# Allegro board SDHCalFEB.brd (continued)
## Routing (per net, layer and track width the routed paths; a pad name or vN(x,y) marks a point on that pad's centre or on a via; arc(x,y) is an arc through that point) (continued)
237.41,281.89 ; 320.57,47.37 C1456.1 ; C1456.1 321.77,46.05 ; C1456.1 321.77,48.69 ; C1456.1 322.96,47.37 ; 233.4,230.94 v2(233.4,230.51) 232.97,230.51 ; v1(246.91,30.05) 247.35,30.05 ; v1(246.91,30.05) 246.91,30.48 ; v1(246.91,30.05) 246.48,30.05 ; v1(246.91,30.05) 246.91,29.62 ; 156.73,205.82 C600.1 ; C600.1 157.59,205.82 ; C600.1 157.16,206.31 ; v2(77.62,126.16) 78.05,126.16 ; v2(77.62,126.16) 77.19,126.16 ; v2(77.62,126.16) 77.62,125.73 ; v2(77.62,126.16) 77.62,126.59 ; 98.93,334.06 v2(98.93,334.49) ; v2(98.93,334.49) 98.93,334.92 ; v2(98.93,334.49) 99.37,334.49 ; v2(98.93,334.49) 98.5,334.49 ; U1056.1 352.45,154.33 ; U1056.1 352.45,153.42 ; U1056.1 351.28,153.87 ; U1056.1 353.62,153.87 ; v2(155.07,236.68) 155.27,237.14 ; C1122.1 313.42,42.32 ; C1122.1 312.56,42.32 ; C1122.1 312.99,42.81 ; C424.1 313.85,202.88 ; C424.1 313.42,202.39 ; C424.1 314.28,202.39 ; v2(155.75,125.8) 155.96,126.26 ; 71.58,236.17 v2(72.01,236.17) ; v2(72.01,236.17) 72.01,235.74 ; v2(72.01,236.17) 72.44,236.17 ; v2(72.01,236.17) 72.01,236.6 ; 350.65,157.68 v1(351.08,157.68) ; v1(351.08,157.68) 351.08,158.12 ; v1(351.08,157.68) 351.08,157.25 ; U1073.6 v1(376.47,219.07) ; v2(95.2,283.46) 95.63,283.46 ; v2(95.2,283.46) 95.2,283.9 ; v2(95.2,283.46) 94.77,283.46 ; v2(95.2,283.46) 95.2,283.03 ; 163.02,30.94 v1(163.45,30.94) ; v1(163.45,30.94) 163.88,30.94 ; v1(163.45,30.94) 163.45,31.37 ; v1(163.45,30.94) 163.45,30.5 ; v1(347.95,268.38) 348.39,268.38 ; v1(347.95,268.38) 347.95,267.94 ; v1(347.95,268.38) 347.95,268.81 ; v1(347.95,268.38) 347.52,268.38 ; v2(99.01,339.32) 99.01,339.75 ; v2(99.01,339.32) 99.01,338.89 ; v2(99.01,339.32) 98.58,339.32 ; v2(99.01,339.32) 99.44,339.32 ; 315.95,237.17 v2(315.52,237.17) 315.52,237.6 ; 235.97,120.34 v2(235.97,120.78) ; v2(155.22,233.48) 155.65,233.48 ; v2(155.22,233.48) 155.22,233.04 ; v2(155.22,233.48) 155.22,233.91 ; v2(155.22,233.48) 154.79,233.48 ; 156.91,45.8 C1295.1 156.47,46.29 ; v1(163.14,29.29) 163.14,29.72 ; v1(163.14,29.29) 163.14,28.85 ; v1(163.14,29.29) 163.58,29.29 ; v1(163.14,29.29) 162.71,29.29 ; 76.07,233.46 76.07,233.89 ; 76.07,233.46 75.58,233.46 ; 76.07,233.46 76.07,233.03 ; v2(314.82,203.91) 314.82,204.34 ; v2(314.82,203.91) 314.38,203.91 ; v2(314.82,203.91) 315.25,203.91 ; 157.76,46 v2(157.76,46.43) ; v2(157.76,46.43) 157.33,46.43 ; v2(157.76,46.43) 158.19,46.43 ; v2(157.76,46.43) 157.76,46.86 ; v2(233.87,76.07) 233.87,77.39 ; v2(233.87,76.07) 235.06,76.07 ; v2(233.87,76.07) 233.87,74.75 ; v2(233.87,76.07) 232.67,76.07 ; v1(351.54,164.69) 351.97,164.69 ; v1(351.54,164.69) 351.54,165.13 ; v1(351.54,164.69) 351.1,164.69 ; 370.26,285.42 v1(370.26,285.85) ; v1(370.26,285.85) 370.69,285.85 ; v1(370.26,285.85) 370.26,286.28 ; v1(370.26,285.85) 369.82,285.85 ; 73.1,282.35 C336.1 ; C336.1 73.53,282.84 ; C336.1 73.97,282.35 ; 75.39,316.97 v2(75.82,316.97) ; v2(75.82,316.97) 75.82,317.4 ; v2(75.82,316.97) 75.82,316.53 ; v2(75.82,316.97) 76.25,316.97 ; 155.65,157.18 v2(155.65,156.74) 156.08,156.74 ; U455.120 154.57,230.85 ; v2(79.38,45.21) 79.81,45.21 ; v2(79.38,45.21) 79.38,44.78 ; v2(79.38,45.21) 78.94,45.21 ; v2(79.38,45.21) 79.38,45.64 ; 73.69,152.5 v2(73.69,152.93) ; v2(73.69,152.93) 73.69,153.37 ; v2(73.69,152.93) 73.25,152.93 ; v2(73.69,152.93) 74.12,152.93 ; 234.93,232.52 C513.1 ; C513.1 234.44,232.96 ; C513.1 234.93,233.39 ; U715.80 152.09,122.32 ; 354.38,169.44 C1423.1 ; C1423.1 355,168.86 ; C1423.1 355.63,169.44 ; v2(158.01,126.34) 158.45,126.34 ; v2(158.01,126.34) 158.01,126.77 ; v2(158.01,126.34) 157.58,126.34 ; v2(158.01,126.34) 158.01,125.91 ; U1050.18 353.73,200.61 ; 236.79,286.32 C164.1 237.22,285.83 ; 76.44,46.29 C1382.1 76.87,45.8 ; 354.88,180.62 C1422.1 355.5,181.2 ; v2(239.52,125.86) 239.52,126.29 ; v2(239.52,125.86) 239.95,125.86 ; v2(239.52,125.86) 239.09,125.86 ; v2(239.52,125.86) 239.52,125.42 ; v1(368.99,286.94) 368.99,287.38 ; v1(368.99,286.94) 368.55,286.94 ; v1(368.99,286.94) 368.99,286.51 ; v1(368.99,286.94) 369.42,286.94 ; v2(235.05,153.49) 235.48,153.49 ; v2(235.05,153.49) 234.62,153.49 ; v2(235.05,153.49) 235.05,153.92 ; v2(235.05,153.49) 235.05,153.06 ; v2(231.76,123.51) 232.19,123.51 ; 74.02,311.79 v2(74.45,311.79) ; v2(74.45,311.79) 74.45,311.35 ; v2(74.45,311.79) 74.88,311.79 ; v2(74.45,311.79) 74.45,312.22 ; 233.4,70.92 v2(233.4,70.49) 232.97,70.49 ; 158.04,353.11 C1458.1 ; C1458.1 158.04,355.75 ; C1458.1 159.23,354.43 ; C1458.1 156.84,354.43 ; U1062.6 v1(354.32,241.3) ; v1(358.37,145.9) 358.37,147.09 ; v1(358.37,145.9) 357.05,145.9 ; v1(358.37,145.9) 359.69,145.9 ; v1(358.37,145.9) 358.37,144.7 ; 352.45,168.99 U1055.4 351.28,169.44 ; C1442.1 364.41,285 ; C1442.1 363.83,285.62 ; C1442.1 363.83,284.38 ; 314.1,311.06 v2(314.1,311.49) ; v2(314.1,311.49) 314.53,311.49 ; v2(314.1,311.49) 314.1,311.92 ; v2(232.93,203.47) 232.93,203.9 ; v2(232.93,203.47) 232.93,203.04 ; v2(232.93,203.47) 233.36,203.47 ; v2(232.93,203.47) 232.5,203.47 ; 155.42,313.4 C252.1 ; C252.1 155.91,313.83 ; C252.1 155.91,312.97 ; 237.76,285.98 v2(237.76,286.41) ; v2(237.76,286.41) 237.76,286.84 ; v2(237.76,286.41) 237.32,286.41 ; v2(237.76,286.41) 238.19,286.41 ; v1(86.74,27.48) 87.17,27.48 ; v1(86.74,27.48) 86.74,27.92 ; v1(86.74,27.48) 86.31,27.48 ; v1(86.74,27.48) 86.74,27.05 ; 357.2,138.38 v1(357.2,138.81) ; v1(357.2,138.81) 356.77,138.81 ; v1(357.2,138.81) 357.2,139.24 ; v1(363.8,292.91) 364.24,292.91 ; v1(363.8,292.91) 363.8,292.48 ; v1(363.8,292.91) 363.8,293.35 ; 318.92,24.13 v1(318.92,24.56) ; v1(318.92,24.56) 319.35,24.56 ; v1(318.92,24.56) 318.92,24.99 ; v1(318.92,24.56) 318.49,24.56 ; 354.53,191.16 C1413.1 ; C1413.1 354.48,191.84 U1051.18 ; C1413.1 355.16,191.75 ; 157.51,280.67 v2(157.07,280.67) 157.07,280.24 ; U1062.5 v1(354.32,247.93) ; v2(233.38,74.12) 233.38,74.55 ; v2(233.38,74.12) 233.38,73.68 ; v2(233.38,74.12) 232.94,74.12 ; v2(233.38,74.12) 233.81,74.12 ; 353.82,145.9 v1(353.82,146.33) ; v1(353.82,146.33) 354.25,146.33 ; v1(353.82,146.33) 353.82,146.76 ; 355.05,200.48 C1411.1 354.43,199.9 ; v1(351.97,127.67) U1053.19 v1(354.33,127.67) 354.69,127.31 ; v2(75.59,156.67) 75.8,157.13 ; 354.79,156.36 v1(354.79,156.79) ; v1(354.79,156.79) 355.22,156.79 ; v1(354.79,156.79) 354.35,156.79 ; v2(73.3,73.23) 73.3,73.66 ; v2(73.3,73.23) 73.3,72.8 ; v2(73.3,73.23) 72.87,73.23 ; v2(73.3,73.23) 73.74,73.23 ; 319.87,206.2 v2(319.87,206.63) 319.44,206.63 ; 355.35,127.18 C1416.1 355.35,125.93 ; 359.59,201.47 v1(359.59,201.9) ; v1(359.59,201.9) 359.16,201.9 ; v1(359.59,201.9) 360.02,201.9 ; v1(359.59,201.9) 359.59,202.34 ; 155.05,311.35 v2(155.48,311.35) ; v2(155.48,311.35) 155.91,311.35 ; v2(155.48,311.35) 155.48,311.79 ; v2(155.48,311.35) 155.48,310.92 ; 312.63,203.71 v2(313.06,203.71) ; v2(313.06,203.71) 313.06,204.14 ; v2(313.06,203.71) 313.5,203.71 ; v2(313.06,203.71) 313.06,203.28 ; 72.67,282.52 v2(72.67,282.96) 73.1,282.96 ; U910.80 232.1,42.31 ; 352.45,157.23 U1056.4 ; 357.9,128.95 C1421.1 ; C1421.1 359.68,128.86 ; C1421.1 357.81,130.73 ; C1421.1 359.59,130.64 ; 319.63,25.3 C1449.1 ; C1449.1 320.95,24.1 ; C1449.1 322.28,25.3 ; C1449.1 320.95,26.49 ; 232.19,283.53 v2(231.76,283.53) U130.80 232.1,282.34 ; 155.63,352.53 v1(156.06,352.53) ; v1(156.06,352.53) 156.06,352.09 ; v1(156.06,352.53) 156.49,352.53 ; v1(156.06,352.53) 156.06,352.96 ; v1(179.6,352.6) 180.04,352.6 ; v1(179.6,352.6) 179.6,352.17 ; v1(179.6,352.6) 179.6,353.04 ; v1(179.6,352.6) 179.17,352.6 ; 351.1,267.66 v1(351.1,268.1) ; v1(351.1,268.1) 351.54,268.1 ; v1(351.1,268.1) 350.67,268.1 ; v1(351.1,268.1) 351.1,268.53 ; 75.34,73.01 C1381.1 ; C1381.1 74.84,73.44 ; C1381.1 75.34,73.87 ; v2(95.81,337.79) 96.24,337.79 ; v2(95.81,337.79) 95.81,337.36 ; v2(95.81,337.79) 95.38,337.79 ; v2(95.81,337.79) 95.81,338.23 ; 319,26.97 v1(319,27.41) ; v1(319,27.41) 319,27.84 ; v1(319,27.41) 319.43,27.41 ; v1(319,27.41) 318.57,27.41 ; v1(56.69,354.81) 56.69,355.24 ; v1(56.69,354.81) 57.13,354.81 ; v1(56.69,354.81) 56.26,354.81 ; v1(56.69,354.81) 56.69,354.38 ; 153.75,150.83 v2(153.39,150.47) 154.54,150.47 U715.120 154.57,150.84 ; v1(245.29,29.95) 245.29,30.38 ; v1(245.29,29.95) 245.72,29.95 ; v1(245.29,29.95) 244.86,29.95 ; v1(245.29,29.95) 245.29,29.51 ; 352.45,180.75 U1057.4 ; U780.120 74.56,150.84 ; 313.44,234.11 v2(313.87,234.11) ; v2(313.87,234.11) 313.87,234.54 ; v2(313.87,234.11) 314.3,234.11 ; v2(313.87,234.11) 313.87,233.68 ; 236.48,126.3 C861.1 236.92,125.81 ; 78.84,125.53 v2(79.27,125.53) ; v2(79.27,125.53) 79.71,125.53 ; v2(79.27,125.53) 79.27,125.96 ; v2(79.27,125.53) 79.27,125.09 ; 355.96,200.05 v1(355.96,199.62) 356.39,199.62 ; 235.08,40.11 v2(235.08,40.54) 234.64,40.54 ; 352.45,145.87 U1054.4 351.28,146.33 ; 312.2,43.5 v2(311.77,43.5) 311.77,43.93 ; C859.1 232.9,122.82 ; C859.1 232.47,122.33 ; C859.1 233.33,122.33 ; 352.45,166.45 U1055.2 352.45,167.36 ; U1058.6 v1(350.94,325.45) ; v1(359.64,193.65) 360.07,193.65 ; v1(359.64,193.65) 359.64,194.08 ; v1(359.64,193.65) 359.21,193.65 ; v1(359.64,193.65) 359.64,193.22 ; 316.33,120.55 v2(316.53,121.01) ; 311.76,156.54 v2(312.19,156.54) ; v2(312.19,156.54) 312.19,156.11 ; v2(312.19,156.54) 312.62,156.54 ; v2(312.19,156.54) 312.19,156.97 ; v2(314.93,282.85) 315.37,282.85 ; v2(314.93,282.85) 314.93,282.42 ; v2(314.93,282.85) 314.5,282.85 ; 237.74,280.09 v2(237.74,280.52) ; v2(237.74,280.52) 237.74,280.95 ; v2(237.74,280.52) 237.31,280.52 ; v2(237.74,280.52) 238.18,280.52 ; v2(316.95,205.87) 316.95,206.3 ; v2(316.95,205.87) 316.52,205.87 ; v2(316.95,205.87) 317.38,205.87 ; U585.120 314.59,150.84 ; v2(236.49,205.91) 236.92,205.91 ; v2(236.49,205.91) 236.49,205.48 ; v2(236.49,205.91) 236.49,206.34 ; v2(236.49,205.91) 236.05,205.91 ; U1051.18 353.73,192.03 ; U1051.18 v1(351.57,191.84) ; 235.53,236.73 v2(235.1,236.73) 235.1,237.16 ; 359.69,146.48 v1(359.69,146.91) ; v1(359.69,146.91) 360.12,146.91 ; v1(359.69,146.91) 359.69,147.35 ; 166.12,30.25 v1(166.55,30.25) ; v1(166.55,30.25) 166.98,30.25 ; v1(166.55,30.25) 166.55,29.82 ; v1(166.55,30.25) 166.55,30.68 ; U1073.5 v1(376.47,223.16) ; 352.45,179.48 U1057.3 352.45,180.39 ; 154.56,40.56 v2(154.99,40.56) 154.99,40.13 ; 74.74,316.48 C348.1 73.55,315.16 ; 369.37,291.85 C1472.1 ; C1472.1 369.37,293.01 ; C1472.1 368.74,292.43 ; v2(235.76,45.79) 235.97,46.25 ; C1420.1 359.77,138.38 ; C1420.1 358.57,139.7 ; C1420.1 357.38,138.38 ; C1420.1 358.57,137.06 ; U390.120 234.58,230.85 ; C76.1 316.64,286.32 ; U975.80 152.09,42.31 ; 352.45,178.21 U1057.2 352.45,179.12 ; v2(155.75,205.81) 156.11,206.17 ; 154.79,280.96 v2(155.23,280.96) ; U195.120 154.57,310.86 ; U650.80 232.1,122.32 ; 315.47,76.71 v2(315.04,76.71) 315.04,77.14 ; 76.44,126.3 C1034.1 76.87,125.81 ; U65.120 314.59,310.86 ; 354.76,127.02 v1(354.33,127.02) U1053.18 v1(351.97,127.02) ; 350.65,143.79 v1(351.08,143.79) ; v1(351.08,143.79) 351.08,143.36 ; v1(351.08,143.79) 351.08,144.22 ; U65.80 v2(311.77,283.53) ; U845.120 314.59,70.83 ; U1040.120 74.56,70.83 ; U780.80 72.08,122.32 ; v1(354.68,216.84) U1065.5
  TOP w0.305: U1040.80 v2(71.74,43.5) ; C1434.1 89.49,357.47 v1(89.48,357.46) U1068.14 ; U1064.14 v1(89.26,350.73) 89.26,350.74 C1435.1 ; U1060.14 v1(88.95,343.52) 88.97,343.5 C1436.1 ; v2(140.64,235.33) C599.1 141.35,235.33 v2(141.35,234.52) U455.137 ; U260.80 C336.1 ; U975.80 v2(151.75,43.5) ; C686.1 76.87,205.81 v2(75.74,205.81) U520.82 ; C77.1 313.43,282.35 U65.80 ; C1438.1 132.11,356.71 v1(132.92,356.71) U1071.13 ; C1437.1 105.98,352.32 v1(106.99,352.32) U1082.14 v1(107.55,353.54) ; v1(351.57,201.08) U1050.19 354.71,201.08 C1410.1 ; U780.137 v2(61.34,154.51) ; C1440.1 132.06,342.16 v1(133.02,342.16) U1061.13 ; C1411.1 354.53,200.43 U1050.18 v1(351.57,200.43) ; U585.82 v2(315.78,125.8) ; U780.82 v2(75.74,125.8) ; U325.137 v2(301.37,234.52) 301.37,235.22 C426.1 v2(300.69,235.23) ; U845.120 v2(315.78,70.49) ; U65.137 v2(301.37,314.53) 301.37,315.36 C78.1 v2(300.69,315.37) ; U780.80 v2(71.74,123.51) ; U910.80 v2(231.76,43.5) ; U1061.2 v1(138.66,340.86) ; U780.120 v2(73.38,150.5) ; 152.74,282.34 U195.80 ; U1067.2 v1(138.58,347.79) ; v2(220.65,235.34) C511.1 221.36,235.33 v2(221.36,234.52) U390.137 ; C337.1 76.64,285.82 U260.82 ; U1040.137 v2(61.34,74.5) ; 314.43,282.35 v2(314.93,282.85) ; v2(151.75,203.52) U455.80 152.91,202.33 C598.1 ; U975.82 v2(155.75,45.79) ; U260.137 v2(61.34,314.53) 61.34,315.4 C338.1 v2(60.4,315.42) ; U845.82 v2(315.78,45.79) ; U195.82 156.22,285.82 156.22,285.82 ; U325.82 318.3,205.81 C425.1 ; v2(300.66,155.35) C772.1 301.37,155.34 v2(301.37,154.51) U585.137 ; U130.137 v2(221.36,314.6) 221.36,315.43 C162.1 ; U715.82 v2(155.75,125.8) ; v2(311.77,203.52) U325.80 313.8,202.33 C424.1 ; U650.80 v2(231.76,123.51) ; U910.82 v2(235.76,45.79) ; U1040.82 v2(75.74,45.79) ; v2(311.77,123.51) U585.80 312.96,122.32 C773.1 ; U130.82 236.79,285.82 C164.1 ; U910.137 v2(221.36,74.5) ; U195.137 v2(141.35,314.53) 141.35,315.34 C250.1 v2(140.64,315.35) ; U715.137 v2(141.35,154.51) ; U975.137 v2(141.35,74.5) ; C687.1 73.01,202.33 U520.80 v2(71.74,203.52) ; v2(235.76,125.8) U650.82 ; U1040.120 v2(73.38,70.49) ; C510.1 233.22,202.33 U390.80 v2(231.76,203.52) ; U390.120 v2(233.4,230.51) ; C1439.1 131.98,349.09 v1(132.94,349.09) U1067.13 ; v2(153.16,283.08) 153.59,283.08 ; U910.120 v2(233.4,70.49) ; U975.120 v2(153.39,70.49) ; U650.137 v2(221.36,154.51) ; U845.80 v2(311.77,43.5) ; U1071.2 v1(140.79,355.41) ; U65.82 316.64,285.82 C76.1 317.12,285.82 ; U715.80 v2(151.75,123.51) ; U520.137 v2(61.34,234.52) 61.34,235.35 C684.1 v2(60.7,235.36) ; U845.137 v2(301.37,74.5) ; C512.1 237.68,205.81 U390.82 ; U455.82 v2(155.75,205.81)
  TOP w0.508: v1(351.08,157.68) U1056.4 v1(353.82,157.68) C1424.1 ; v1(351.08,156.41) U1056.3 v1(353.82,156.41) ; C162.1 v2(220.71,315.44) ; R410.1 v1(77.98,356.29) ; R410.1 v1(77.98,354.72) ; R410.1 v1(77.22,355.51) ; v2(221.36,74.5) 221.36,75.33 C1206.1 v2(220.65,75.34) ; v1(351.08,166.9) U1055.2 v1(353.82,166.9) ; R77.1 v1(78.8,358.25) ; R77.1 v1(78.04,357.46) ; R77.1 v1(78.8,356.67) ; U1055.4 v1(353.82,169.44) ; v1(77.85,349.57) R411.2 v1(77.09,348.78) ; U1055.8 v1(353.82,174.52) ; C600.1 157.15,205.81 v2(155.75,205.81) ; C1430.1 350.94,324.49 v1(350.94,325.45) ; v2(140.73,155.32) C945.1 141.35,155.3 v2(141.35,154.51) ; v2(155.75,125.8) 156.49,125.8 C947.1 ; C1422.1 v1(353.82,181.2) U1057.4 v1(351.08,181.2) ; R1076.1 v1(92.94,354.85) ; R1080.1 v1(389.05,122.03) ; v2(220.65,155.35) C860.1 221.36,155.34 v2(221.36,154.51) ; U1055.1 v1(353.82,165.63) ; v1(351.08,178.66) U1057.2 v1(353.82,178.66) ; C1121.1 316.46,45.79 v2(315.78,45.79) ; R413.1 v1(388.06,204.34) ; v1(79.44,338.07) R745.1 v1(81.02,338.07) ; v2(60.7,75.31) C1380.1 61.34,75.31 v2(61.34,74.5) ; C1208.1 235.77,45.8 v2(235.76,45.79) ; v1(77.61,343.54) R79.1 v1(78.37,342.75) ; v1(76.56,341.56) R412.1 v1(77.32,342.35) ; R83.1 v1(387.96,237.62) ; v1(81.5,352.22) R743.1 v1(79.93,352.22) ; v1(353.82,179.93) U1057.3 v1(351.08,179.93) ; v2(61.34,154.51) 61.34,155.34 C1032.1 v2(60.7,155.35) ; R2593.2 v1(388.87,272.39) ; U1057.8 v1(353.82,186.28) ; R2591.2 v1(388.11,268.1) ; U1054.8 v1(353.82,151.41) ; v1(78.68,351.51) R78.2 v1(77.91,350.72) ; v1(389.05,149.01) R749.1 v1(389.05,147.43) ; R1078.1 v1(92.18,341.57) ; v1(81.29,345.39) R744.2 v1(79.71,345.39) ; v2(155.75,45.79) 156.47,45.79 C1295.1 ; R414.1 v1(388.06,201.8) ; C1434.1 v1(90.45,358.29) ; v2(235.76,125.8) 236.48,125.8 C861.1 ; U1056.8 v1(353.82,162.76) ; R80.1 v1(388,242.7) ; v2(300.66,75.31) C1119.1 301.37,75.3 v2(301.37,74.5) ; v1(354.32,241.3) 354.32,240.31 C1431.1 ; v2(75.74,125.8) 76.43,125.8 C1034.1 ; v1(353.82,168.17) U1055.3 v1(351.08,168.17) ; R1082.1 v1(389.05,119.49) ; R1079.1 v1(389.05,124.57) ; U1054.3 v1(351.08,145.06) ; R1077.2 v1(92.53,348.12) ; v1(354.33,127.67) 354.73,128.07 C1417.1 ; U1054.2 v1(351.08,143.79) ; C1416.1 354.79,126.56 v1(354.33,127.02) ; v2(140.71,75.31) C1293.1 141.35,75.3 v2(141.35,74.5) ; v2(232,156.82) 232.44,156.82 ; R417.1 v1(388.06,199.26) ; U1056.2 v1(351.08,155.14) ; R2598.1 v1(374.35,283.21) ; U1057.1 v1(353.82,177.39) ; U1054.4 v1(353.82,146.33) ; C1433.1 v1(375.16,215.9) ; R747.1 v1(388.16,176.4) ; R81.1 v1(388,240.16) ; R2589.2 v1(388.11,270.64) ; R746.1 v1(388.16,178.94)
  GND1 w0.254: v2(231.76,283.53) v3(231.76,284.26)
  GND1 w0.305: v2(153.07,316.94) v3(153.07,316.2) ; v3(318.19,286.81) v2(317.31,286.81) v3(317.31,286.08) ; v3(73.71,203.44) 73.53,203.44 73.47,203.5 v2(72.97,203.5) ; v2(74.17,232.21) v3(74.17,232.94) ; v2(61.34,314.53) v3(61.34,313.79) ; v2(155.22,233.48) v3(155.96,233.48) ; v2(154.09,311.38) v3(154.09,310.64) ; v2(157.67,206.75) v3(157.67,205.82) ; v2(236.49,205.91) v3(237.01,205.39) ; v2(155.23,280.96) v3(154.71,280.44) ; v2(317.22,282.83) v3(316.48,282.83) ; v2(155.07,236.68) v3(154.33,236.68) ; v2(231.76,203.52) v3(231.02,203.52) ; v2(60.7,235.36) v3(60.7,236.09) ; v3(319.05,286.05) v2(319.79,286.05) v3(319.79,286.79) ; v2(239.15,206.04) v3(239.15,205.3) ; v2(301.37,234.52) v3(301.37,233.78) ; v2(239.15,285.27) v3(238.42,285.27) ; v2(155.48,311.35) v3(156.22,311.35) ; v2(75.08,280.24) v3(75.08,280.97) ; v2(157.07,280.67) v3(157.59,280.15) ; v2(75.16,282.85) v3(74.42,282.85) ; v2(75.82,316.97) v3(75.3,316.45) ; v2(74.98,233.73) v3(74.98,234.47) ; v2(314.02,122.76) v3(314.02,123.49) ; v2(155.75,205.81) v3(156.49,205.81) ; v2(300.66,155.35) v3(300.66,156.08) ; v2(154.91,203.96) v3(154.91,203.23) ; v2(317.41,279.86) v3(318.14,279.86) ; v2(235.1,236.73) v3(235.1,235.99) ; v2(312.12,315.81) v3(311.38,315.81) ; v2(315.52,237.17) v3(315.52,236.43) ; v2(234.53,200.27) v3(234.53,201.01) ; v2(315.52,313.39) v3(316.26,313.39) ; v2(233.76,313.27) v3(233.02,313.27) ; v2(140.64,235.33) v3(140.64,236.07) ; v2(235.59,313.3) v3(236.32,313.3) ; v2(71.74,203.52) v3(71.74,204.25) ; v2(221.36,234.52) v3(221.36,233.78) ; v2(159.82,285.09) v3(160.55,285.09) ; v2(319.79,126.29) v3(319.79,127.03) ; v2(311.77,203.52) v3(311.77,204.25) ; v2(140.64,315.35) v3(140.64,316.09) ; v2(141.35,314.53) v3(141.35,313.79) ; v2(73.33,314.32) v3(74.07,314.32) ; v2(79.07,285.14) v3(79.07,285.88) ; v2(235.08,316.95) v3(235.81,316.95) ; v2(314.84,315.4) v3(314.1,315.4) ; v2(153.01,203.48) v3(153.01,204.22) ; v2(313.06,203.71) v3(313.06,204.44) ; v2(234.14,231.57) v3(234.14,230.53) ; v2(313.87,313.37) v3(313.14,313.37) ; v2(316.53,121.01) v3(315.8,121.01) ; v2(232.64,314.69) v3(232.64,315.43) ; v2(72.01,236.17) v3(72.53,236.69) ; v2(314.07,233.03) v3(314.81,233.03) ; v2(314.45,153.87) v3(315.19,153.87) ; v2(151.75,203.52) v3(151.75,204.25) ; v3(300.69,235.97) v2(300.69,235.23) v2(300.05,235.23) v3(299.31,235.23) ; v2(158.27,285.85) v3(158.27,285.12) ; v2(232,156.82) v3(232.74,156.82) ; v2(151.84,236.47) v3(151.1,236.47) ; v2(314.1,311.49) v3(314.84,311.49) ; v2(234.34,311.34) v3(235.08,311.34) ; v2(154.51,200.71) v3(155.24,200.71) ; v2(312.14,317.18) v3(311.41,317.18) ; v2(316.95,205.87) v3(316.95,205.13) ; v2(314.02,152.12) v3(314.02,152.86) ; v2(153.16,283.08) v3(153.9,283.08) ; v2(78.23,205.77) v3(78.97,205.77) ; v2(315.14,156.67) v3(315.87,156.67) ; v2(315.9,311.49) v3(316.64,311.49) ; v2(315.73,314.41) v3(315.73,315.15) ; v2(235.76,125.8) v3(235.03,125.8) ; v2(301.37,154.51) v3(301.37,153.77) ; v2(301.37,314.53) v3(301.37,313.79) ; v2(315.15,280.17) v3(314.41,280.17) ; v2(312.19,156.54) v3(312.19,157.28) ; v2(233.32,233.45) v3(234.06,233.45) ; v2(319.87,206.63) v3(319.87,207.37) ; v2(314.82,203.91) v3(314.82,203.17) ; v2(153.92,232.26) v3(153.92,232.99) ; v2(314.93,282.85) v3(314.2,282.85) ; v2(237.76,286.41) v3(238.49,286.41) ; v2(60.4,315.42) v3(60.4,316.15) ; v2(61.34,234.52) v3(61.34,233.78) ; v2(232.33,316.8) v3(231.6,316.8) ; v2(77.67,286.16) v3(76.94,286.16) ; v2(141.35,234.52) v3(141.35,233.78) ; v2(233.4,230.51) v3(232.66,230.51) ; v2(154.57,312.98) v3(153.83,312.98) ; v2(221.36,154.51) v3(221.36,153.77) ; v2(315.78,125.8) v3(315.04,125.8) ; v2(232.93,203.47) v3(232.93,204.21) ; v2(232.38,235.92) v3(231.65,235.92) ; v2(313.64,316.59) v3(314.38,316.59) ; v2(75.51,235) v3(75.51,235.74) ; v2(312.19,237.02) v3(312.19,236.28) ; v2(313.92,231.5) v3(314.66,231.5) ; v2(75.74,205.81) v3(75.01,205.81) ; v2(155.07,283.13) v3(155.8,283.13) ; v2(317.25,203.89) v3(316.52,203.89) ; v2(159.77,286.28) v3(160.5,286.28) ; v2(300.69,315.37) v3(300.69,316.1) ; v2(72.67,282.96) v3(71.93,282.96) ; v2(311.77,123.51) v3(311.77,124.24) ; v2(236.39,203.57) v3(235.65,203.57) ; v2(220.65,235.34) v3(220.65,236.08) ; v2(75.23,203.78) v3(75.23,203.05) ; v2(74.45,311.79) v3(75.08,312.42) ; v2(318.06,126.21) v3(318.06,127)
  GND1 w0.508: v2(312.06,76.53) v3(311.33,76.53) ; v2(155.75,122.06) v3(155.75,121.33) ; v2(318.19,46.28) v3(318.19,45.54) ; v2(60.7,75.31) v3(60.7,76.05) ; v2(158.01,126.34) v3(158.01,125.6) ; v2(233.83,283.16) v3(233.83,284.12) ; v2(155.83,41.45) v3(156.57,41.45) ; v2(234.34,73.41) v3(235.08,73.41) ; v2(301.37,74.5) v3(301.37,73.76) ; v2(95.81,337.79) v3(95.07,337.79) ; v2(74.35,77.01) v3(75.08,77.01) ; v2(319.99,46.25) v3(319.99,45.52) ; v2(155.75,45.79) v3(155.02,45.79) ; v2(77.67,46.13) v3(77.67,45.39) ; v2(60.7,155.35) v3(60.7,156.08) ; v2(73.38,150.5) v3(72.65,150.5) ; v2(153.31,123.37) 153.82,122.86 v3(153.85,122.86) ; v2(141.35,154.51) v3(141.35,153.77) ; v2(153.39,70.49) v3(152.66,70.49) ; v2(155.24,153.52) v3(155.98,153.52) ; v2(315.85,39.73) v3(315.11,39.73) ; v2(75.26,121.06) v3(76,121.06) ; v2(73.3,73.23) v3(72.57,73.23) ; v2(313.87,234.11) v3(313.87,234.85) ; v2(159.66,125.25) v3(159.66,124.51) ; v2(77.62,126.16) v3(77.62,125.43) ; v2(79.27,125.53) v3(79.27,124.79) ; v2(74.32,74.27) v3(74.32,75.01) ; v2(73.69,152.93) v3(73.69,153.67) ; v2(71.73,76.78) v3(71.73,76.05) ; v2(233.17,43.64) v3(233.91,43.64) ; v2(233.4,70.49) v3(232.67,70.49) ; v2(71.74,123.51) v3(71.74,124.24) ; v2(73.38,70.49) v3(72.65,70.49) ; v2(234.47,152.2) v3(234.47,152.93) ; v2(311.77,43.5) v3(311.77,44.23) ; v2(235.05,153.49) v3(235.79,153.49) ; v2(95.78,336.09) v3(95.05,336.09) ; v2(311.77,283.53) 311.43,283.86 311.43,284.18 v3(311.43,284.18) ; v2(152.12,156.87) v3(151.38,156.87) ; v2(151.75,123.51) v3(151.75,124.24) ; v2(231.76,123.51) v3(231.76,124.24) ; v2(72.42,156.29) v3(72.42,155.55) ; v2(75.31,40.69) v3(75.31,41.43) ; v2(140.71,75.31) v3(140.71,76.05) ; v2(318.03,48.36) v3(318.03,47.62) ; v2(313.87,72.67) v3(313.35,73.19) ; v2(79.38,45.21) v3(79.38,44.48) ; v2(220.71,315.44) v3(220.71,316.18) ; v2(75.41,153.47) v3(75.41,154.2) ; v2(235.97,120.78) v3(235.23,120.78) ; v2(237.97,40.23) v3(238.71,40.23) ; v2(235.08,40.54) v3(235.08,41.27) ; v2(76.33,43.41) v3(77.06,43.41) ; v2(154.79,76.66) v3(155.52,76.66) ; v2(314.76,73.84) v3(315.49,73.84) ; v2(237.87,125.35) v3(237.13,125.35) ; v2(153.19,73.28) v3(152.45,73.28) ; v2(97.43,339.29) v3(97.43,338.56) ; v2(140.73,155.32) v3(140.73,156.06) ; v2(73.43,123.34) v3(73.43,124.08) ; v2(235.76,45.79) v3(235.03,45.79) ; v3(152.66,150.47) v2(153.39,150.47) ; v2(300.66,75.31) v3(300.66,76.05) ; v2(75.59,156.67) v3(75.59,155.93) ; v2(220.65,155.35) v3(220.65,156.08) ; v2(96.04,339.27) v3(95.3,339.27) ; v2(151.75,43.5) v3(151.75,44.23) ; v2(154.05,152.88) v3(154.05,153.62) ; v2(231.76,43.5) v3(231.76,44.23) ; v2(151.97,76.38) v3(151.23,76.38) ; v2(237.57,46.1) v3(237.57,45.36) ; v2(157.76,46.43) v3(157.76,45.69) ; v2(233.86,123.11) v3(234.59,123.11) ; v2(319.43,47.6) v3(320.17,47.6) ; v2(315.78,70.49) v3(315.04,70.49) ; v2(231.78,76.45) v3(231.04,76.45) ; v2(315.26,234.19) v3(316,234.19) ; v2(71.74,43.5) v3(71.74,44.23) ; v2(235.53,155.17) v3(234.8,155.17) ; v2(221.36,74.5) v3(221.36,73.76) ; v2(95.78,334.54) v3(95.78,333.81) ; v2(237.85,281.89) v3(238.37,281.37) ; v2(154.99,40.56) v3(154.99,39.83) ; v2(75.74,45.79) v3(75.01,45.79) ; v2(220.65,75.34) v3(220.65,76.07) ; v2(153.52,43.48) v3(154.25,43.48) ; v2(141.35,74.5) v3(141.35,73.76) ; v2(234.95,280.9) v3(234.95,280.16) ; v2(97.18,283.44) v3(97.18,282.7) ; v2(159.99,45.14) v3(159.26,45.14) ; v2(238.94,45.09) v3(239.67,45.09) ; v2(155.65,156.74) v3(154.91,156.74) ; v2(239.52,125.86) v3(239.52,125.12) ; v2(238,43.64) v3(237.26,43.64) ; v2(96.19,283.49) v3(96.19,282.75) ; v2(233.38,74.12) v3(232.64,74.12) ; v2(99.01,339.32) v3(99.01,338.58) ; v2(61.34,154.51) v3(61.34,153.77) ; v2(316.46,43) v3(316.46,42.27) ; v2(76.66,123.42) v3(75.92,123.42) ; v2(73.08,42.65) v3(73.81,42.65) ; v2(98.93,334.49) v3(98.93,333.76) ; v2(237.57,283.08) v3(237.05,282.56) ; v2(61.34,74.5) v3(61.34,73.76) ; v2(95.2,283.46) v3(95.2,282.73) ; v2(313.49,43.69) v3(314.22,43.69) ; v2(233.87,76.07) v3(234.6,76.07) ; v2(97.46,334.52) v3(97.46,333.78) ; v2(315.04,76.71) v3(315.04,75.97) ; v2(154.36,74.02) v3(154.36,74.75) ; v2(221.36,314.6) v3(221.36,313.86) ; v2(237.74,280.52) v3(237.22,280) ; v2(156.24,43.36) v3(156.97,43.36) ; v2(157.05,120.57) v3(157.05,119.84)
  BOTTOM w0.508: R82.1 v1(397.99,241.43) ; R2594.2 v1(397.92,271.91) ; R2592.2 v1(398.02,274.45) ; R748.1 v1(397.99,177.67) ; R2590.2 v1(398.02,269.37) ; R750.1 v1(397.99,175.13) ; R1083.1 v1(398.02,121.54) ; R415.1 v1(397.99,203.07) ; R1081.1 v1(397.99,124.08) ; R416.1 v1(397.99,197.99) ; R84.1 v1(398.02,238.89)
  vias: v1(357.99,138.79)
